# Altium PCB PCB_with_drawing.PcbDoc (part 5 of 5) (continued)
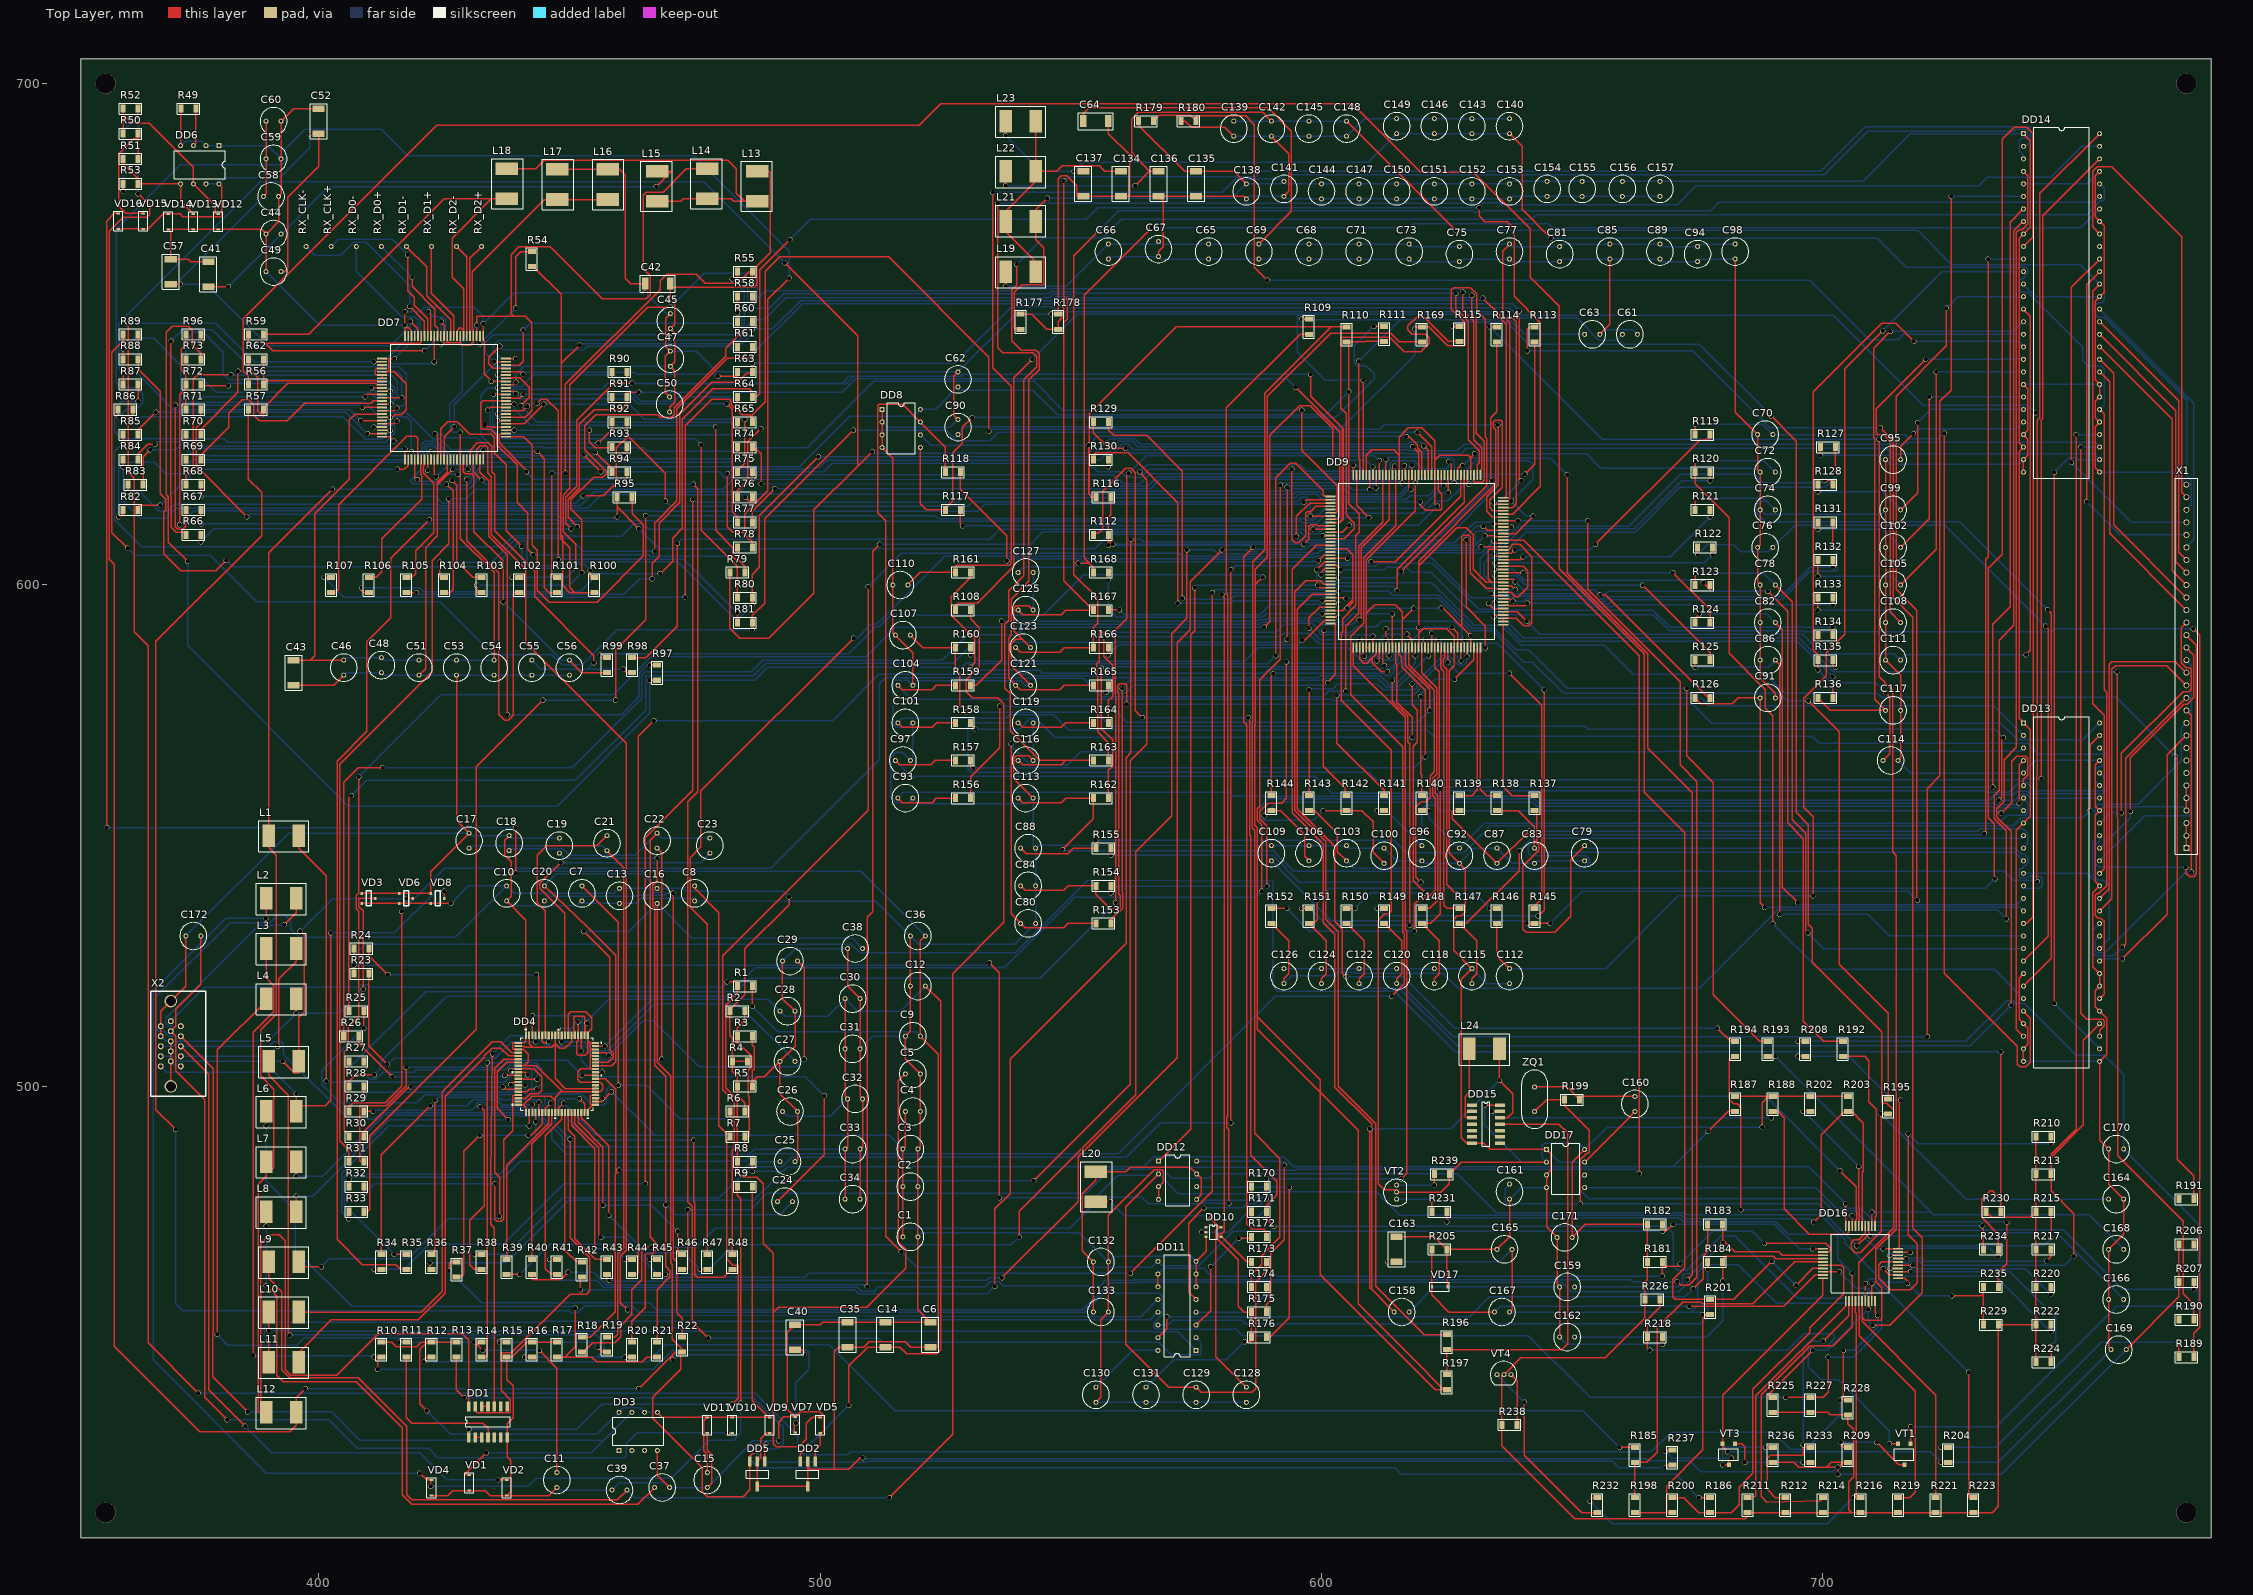
[diagram p0: Top Layer view]
## Nets (pads, with @x,y where several pads share a name; then routed paths per layer and width w, separated by ;. In a path a pad name is that pad's centre, name@x,y a point inside that pad or via, vN(x,y) a via of type N, cw(c..) or ccw(c..) an arc to the next point about the centre after c; other vN are vias at no path point) (continued)
RA0: C127.2 DD14.50 R168.1 | length 281.3
  Top Layer w0.25: v1(551.485,604.342) 553.72,604.342 ; R168.1@554.5,602.5 554.5,603.562 553.72,604.342 ; v1(566.141,671.246) 552.729,657.835 552.729,605.333 553.72,604.342
  Bottom Layer w0.25: C127.2@539.5,602.5 540.529,603.529 550.672,603.529 v1(551.485,604.342) ; v1(566.141,671.246) 617.463,671.246 618.262,672.045 645.312,672.045 646.111,671.246 751.446,671.246 DD14.50@755.2,675
RA1: C125.2 DD14.2 R167.1 | length 306.3
  Top Layer w0.25: C125.2@539.5,595 540.394,594.106 548.056,594.106 548.95,595 R167.1@554.5,595 548.64,600.86 548.64,652.372 549.265,652.997 549.265,657.002 548.64,657.627 v1(548.64,680.644)
  Bottom Layer w0.25: v1(548.64,680.644) 549.453,681.457 586.876,681.457 587.968,682.549 699.592,682.549 708.426,691.383 741.383,691.383 741.383,688.322 740.561,687.5 DD14.2@740,687.5
RA2: C123.2 DD14.51 R166.1 | length 306.5
  Top Layer w0.25: C123.2@539,587.5 539.887,586.613 547.827,586.613 548.714,587.5 R166.1@554.5,587.5 554.5,591.482 555.346,592.328 555.346,597.332 550.596,602.082 550.596,665.709 v1(555.371,670.484)
  Bottom Layer w0.25: v1(555.371,670.484) 559.537,674.649 630.302,674.649 630.573,674.379 632.06,674.379 632.331,674.649 677.596,674.649 679.272,676.326 754.026,676.326 DD14.51@755.2,677.5
RA3: C121.2 DD14.52 R165.1 | length 333.3
  Top Layer w0.25: v1(539.191,663.956) 539.191,659.816 538.251,658.876 538.251,648.716 540.139,646.828 543.052,646.828 543.673,646.207 543.673,642.962 541.604,640.893 541.604,600.71 538.099,597.205 538.099,589.933 537.591,589.425 537.591,581.409 C121.2@539,580 539.88,579.12 547.827,579.12 548.707,580 R165.1@554.5,580
  Bottom Layer w0.25: v1(539.191,663.956) 544.474,669.239 556.438,669.239 560.146,672.948 642.01,672.948 642.95,673.887 752.627,673.887 755.345,676.605 755.777,676.605 756.082,676.91 756.082,679.118 DD14.52@755.2,680
RA4: C119.2 DD14.54 R164.1 | length 377.9
  Top Layer w0.25: C119.2@539.5,572.5 540.398,571.602 548.056,571.602 548.954,572.5 R164.1@554.5,572.5 ; v1(743.534,561.383) 743.534,632.957 743.8,633.222 743.8,673.6 DD14.54@755.2,685
  Bottom Layer w0.25: C119.2@539.5,572.5 530.352,572.5 529.438,571.586 529.438,563.372 530.123,562.686 609.397,562.686 610.895,561.188 738.922,561.188 739.117,561.383 v1(743.534,561.383)
RA5: C116.2 DD14.55 R163.1 | length 369
  Top Layer w0.25: v1(535.407,676.097) 535.407,647.344 536.448,646.303 542.366,646.303 543.169,645.5 543.169,643.524 540.588,640.944 540.588,601.802 537.595,598.809 537.595,592.916 536.854,592.176 536.854,579.45 537.921,578.383 537.921,570.893 543.814,565 548.947,565 ; C116.2@539.5,565 540.391,564.109 548.056,564.109 548.947,565 ; R163.1@554.5,565 548.947,565
  Bottom Layer w0.25: v1(535.407,676.097) 630.733,676.097 630.834,676.199 635.686,676.199 636.041,675.843 670.916,675.843 674.675,679.602 731.063,679.602 732.739,681.279 745.414,681.279 751.637,687.502 755.2,687.502 DD14.55@755.2,687.5
RA6: C113.2 DD14.56 R162.1 | length 380
  Top Layer w0.25: C113.2@539.5,557.5 540.384,556.616 548.081,556.616 548.966,557.5 R162.1@554.5,557.5 554.5,553.408 v1(548.335,547.243) ; v1(742.772,540.842) 742.645,540.969 742.645,562.127 742.721,562.204 742.721,632.886 743.296,633.461 743.296,678.096 DD14.56@755.2,690
  Bottom Layer w0.25: v1(548.335,547.243) 548.564,547.014 590.372,547.014 594.462,542.925 736.168,542.925 737.976,541.117 742.497,541.117 v1(742.772,540.842)
RA7: C110.2 DD14.3 R161.1 | length 318
  Top Layer w0.25: C110.2@517.5,600 520,602.5 R161.1@527,602.5 527,603.606 527.304,603.91 537.784,603.91 538.14,604.266 538.14,639.633 534.416,643.357 v1(534.416,678.282)
  Bottom Layer w0.25: v1(534.416,678.282) 580.187,678.282 582.803,680.898 587.375,680.898 587.455,680.978 591.693,680.978 592.502,681.787 700.274,681.787 708.953,690.465 738.124,690.465 738.538,690.879 740.879,690.879 740.879,689.121 739.648,689.121 739.115,688.588 739.115,686.613 740,685.727 DD14.3@740,685
RB0: C107.2 DD13.50 R160.1 | length 266.6
  Top Layer w0.25: C107.2@518,590 520.5,587.5 R160.1@527,587.5 527,583.234 527.837,582.397 527.837,576.021 v1(529.209,574.65) ; v1(735.101,557.098) 735.66,557.657 735.66,569.214 v1(736.016,569.57)
  Bottom Layer w0.25: v1(529.209,574.65) 555.041,574.65 557.886,571.805 652.551,571.805 653.161,571.195 734.39,571.195 v1(736.016,569.57) ; v1(735.101,557.098) 738.353,557.098 739.633,558.379 740.538,558.379 741.417,557.5 DD13.50@755.2,557.5
RB1: C104.2 DD13.2 R159.1 | length 241.4
  Top Layer w0.25: C104.2@515.5,580 516.38,579.12 522.326,579.12 523.206,580 R159.1@527,580
  Bottom Layer w0.25: C104.2@515.5,580 518.322,577.178 602.168,577.178 602.477,576.869 621.952,576.869 622.551,577.469 675.691,577.469 677.277,575.882 734.118,575.882 DD13.2@740,570
RB2: C101.2 DD13.51 R158.1 | length 264.2
  Top Layer w0.25: C101.2@515.5,572.5 516.398,571.602 522.326,571.602 523.224,572.5 R158.1@527,572.5
  Bottom Layer w0.25: C101.2@515.5,572.5 516.43,573.43 537.159,573.43 537.87,574.142 546.557,574.142 549.631,571.068 621.106,571.068 622.351,569.824 697.916,569.824 699.287,568.452 740.867,568.452 743.052,566.268 755.701,566.268 756.082,565.887 756.082,564.388 755.447,563.753 754.888,563.753 754.304,563.169 754.304,560.896 DD13.51@755.2,560
RB3: C97.2 DD13.52 R157.1 | length 262.2
  Top Layer w0.25: C97.2@515,565 515.891,564.109 522.072,564.109 522.963,565 R157.1@527,565
  Bottom Layer w0.25: C97.2@515,565 518.101,561.899 598.627,561.899 602.021,558.505 624.428,558.505 624.926,559.003 732.387,559.003 732.742,558.648 737.163,558.648 739.394,560.879 740.395,560.879 742.271,559.003 755.777,559.003 756.082,559.308 756.082,561.618 DD13.52@755.2,562.5
RB4: C93.2 DD13.54 R156.1 | length 264.6
  Top Layer w0.25: C93.2@515.5,557.5 516.384,556.616 522.326,556.616 523.21,557.5 R156.1@527,557.5
  Bottom Layer w0.25: C93.2@515.5,557.5 516.622,558.622 581.711,558.622 582.434,557.899 639.182,557.899 639.186,557.903 642.96,557.903 643.765,557.098 733.156,557.098 734.202,558.144 737.878,558.144 738.617,558.883 740.894,558.883 741.383,558.394 755.904,558.394 756.59,559.079 756.59,566.11 DD13.54@755.2,567.5
RB5: C88.2 DD13.55 R155.1 | length 236.1
  Top Layer w0.25: C88.2@540,547.5 541.138,546.362 549.399,546.362 550.536,547.5 R155.1@555,547.5 v1(555,549.072) ; v1(753.313,555.015) 753.313,568.113 DD13.55@755.2,570
  Bottom Layer w0.25: v1(555,549.072) 614.426,549.072 616.89,546.608 628.371,546.608 633.705,551.942 737.972,551.942 739.596,553.567 751.865,553.567 v1(753.313,555.015)
RB6: C84.2 DD13.56 R154.1 | length 272.2
  Top Layer w0.25: C84.2@540,540 540.885,539.115 548.564,539.115 549.449,540 R154.1@555,540 555,538.312 557.88,535.432 559.505,535.432 559.835,535.762 559.835,538.054 559.587,538.302 559.587,578.266 559.343,578.51 559.343,579.882 559.75,580.288 560.832,580.288 561.111,580.009 v1(561.111,576.224)
  Bottom Layer w0.25: v1(561.111,576.224) 674.091,576.224 677.85,572.465 735.508,572.465 738.861,569.112 751.812,569.112 DD13.56@755.2,572.5
RB7: C80.2 DD13.3 R153.1 | length 257.7
  Top Layer w0.25: v1(538.099,568.325) 538.099,534.401 C80.2@540,532.5 540.903,531.597 548.564,531.597 549.467,532.5 R153.1@555,532.5
  Bottom Layer w0.25: v1(538.099,568.325) 538.099,567.919 541.909,564.109 549.377,564.109 551.993,566.725 668.198,566.725 668.325,566.852 739.352,566.852 DD13.3@740,567.5
ROM_SCL: DD16.27 R112.2 R171.1 R223.2 | length 386.7
  Top Layer w0.25: R112.2@554.5,610 554.5,610.311 555.498,610.311 556.387,611.2 556.387,618.668 560.959,623.24 562.051,623.24 562.883,622.408 562.883,574.961 v1(564.286,573.557) ; v1(585.419,573.557) 585.419,573.278 585.648,573.049 585.648,550.189 585.902,549.935 585.902,486.314 591.124,481.091 591.124,478.323 589,476.199 R171.1@589,475 589,473.584 v1(590.499,472.084) ; DD16.27@708.45,457.2 v1(708.45,458.827) v1(708.45,460.68) ; v1(729.082,443.031) 729.082,418 R223.2@730,418
  Bottom Layer w0.25: v1(564.286,573.557) v1(585.419,573.557) ; v1(590.499,472.084) 668.782,472.084 670.128,470.738 670.128,464.185 671.017,463.296 672.827,463.296 679.71,470.179 682.447,470.179 694.919,457.708 707.331,457.708 v1(708.45,458.827) ; v1(708.45,460.68) 709.367,461.597 710.516,461.597 v1(729.082,443.031)
ROM_SCL_ASIC: DD9.10 R112.1 R116.1 R172.1 | length 228.1
  Top Layer w0.25: v1(557.5,607.898) 557.5,609.016 ; R116.1@558,617.5 558,613.986 557.5,613.486 R112.1@557.5,610 557.5,609.016 ; v1(558.414,608.101) 557.5,609.016 ; v1(586.384,607.492) 584.531,605.638 584.531,572.671 585.114,572.088 585.114,472.592 586.232,471.475 588.441,471.475 589,470.916 R172.1@589,470 ; v1(596.443,608.101) 597.469,609.127 597.469,611.632 597.866,612.029 598.915,612.029 599.144,611.8 DD9.10@601.8,611.8
  Bottom Layer w0.25: v1(557.5,607.898) 585.978,607.898 v1(586.384,607.492) ; v1(558.414,608.101) v1(596.443,608.101)
ROM_SCL_EEPROM: DD8.6 R110.2 R116.2 R174.2 | length 323.2
  Top Layer w0.25: v1(553.618,627.888) 553.618,618.109 553.669,618.058 ; R116.2@555,617.5 554.228,617.499 553.669,618.058 ; R174.2@586,460 586,462.458 588.035,464.493 588.035,466.268 591.707,469.939 591.707,485.609 586.664,490.652 586.664,551.097 586.178,551.583 586.178,572.678 586.298,572.799 586.298,604.672 588.686,607.06 588.686,638.19 601.995,651.5 ; R110.2@605,651.5 601.995,651.5 ; 553.669,618.058 553.669,634.111 571.058,651.5 601.995,651.5
  Bottom Layer w0.25: DD8.6@520,629.96 522.072,627.888 v1(553.618,627.888)
ROM_SDA: DD16.28 R113.2 R225.2 | length 304.7
  Top Layer w0.25: v1(641.071,646.684) 641.071,650.967 641.604,651.5 R113.2@642.5,651.5 ; R225.2@690,438 689.198,438 689.198,438.627 v1(697.967,447.396) ; v1(709.092,455.574) 709.1,455.583 DD16.28@709.1,457.2 ; v1(709.955,452.349) 713.308,452.349 719.771,458.812 719.771,469.838 717.931,471.678 717.931,593.598 713.994,597.535 713.994,628.879 v1(711.479,631.393)
  Bottom Layer w0.25: v1(641.071,646.684) 674.065,646.684 689.356,631.393 v1(711.479,631.393) ; v1(697.967,447.396) 700.913,447.396 v1(709.092,455.574) 709.092,453.212 v1(709.955,452.349)
SCDT: DD16.17 R56.2 R201.2 | length 561.8
  Top Layer w0.25: R56.2@386,640 386,641.604 384.937,642.667 384.937,653.085 423.57,691.718 519.811,691.718 524.104,696.011 606.171,696.011 619.836,682.346 630.276,682.346 641.604,671.017 641.604,661.365 647.421,655.549 647.421,603.199 664.362,586.257 664.362,558.673 672.414,550.621 672.414,463.829 670.052,461.467 670.052,458.008 670.56,457.5 R201.2@677.5,457.5 682.188,457.5 v1(689.813,465.125) ; v1(694.639,460.35) 697.99,463.7 DD16.17@700,463.7
  Bottom Layer w0.25: v1(689.813,465.125) 694.588,460.35 v1(694.639,460.35)
VCLK00: DD9.28 R196.2 | length 171.7
  Top Layer w0.25: DD9.28@601.8,600.1 600.482,600.1 599.745,600.837 596.875,600.837 594.665,598.627 594.665,555.041 600.862,548.843 600.862,533.349 603.377,530.835 603.377,500.024 610.819,492.582 610.819,460.172 620.491,450.5 R196.2@625,450.5
VCLK01: R99.2 R169.1 R197.2 | length 552.3
  Top Layer w0.25: v1(456.082,586.003) 456.586,585.5 R99.2@457.5,585.5 ; v1(588.289,601.574) 586.816,600.1 586.816,572.244 586.802,572.23 ; R169.1@620,648.5 615.524,648.5 613.771,650.253 601.828,650.253 589.19,637.615 589.19,605.522 586.802,603.135 586.802,572.23 ; R197.2@625,439.5 R197.2@624.354,439.5 ; 586.682,552.087 586.682,552.077 587.172,551.586 587.172,513.867 587.182,513.857 ; 586.682,552.087 587.182,551.587 587.182,513.857 ; 586.682,552.087 586.682,572.047 ; 586.682,572.047 586.682,572.11 586.802,572.23 ; 586.682,572.047 586.802,572.167 586.802,572.23 ; 587.182,513.857 587.182,511.394 599.719,498.856 ; 587.182,513.857 599.719,501.32 599.719,498.856 ; 599.719,498.856 607.339,491.236 607.339,456.667 621.208,442.798 621.208,442.646 R197.2@624.354,439.5 ; 599.719,498.856 599.719,462.436 622.656,439.5 R197.2@624.354,439.5
  Bottom Layer w0.25: v1(456.082,586.003) 456.387,586.308 505.739,586.308 511.064,591.633 511.674,591.633 514.045,594.004 544.5,594.004 552.577,602.082 587.781,602.082 v1(588.289,601.574)
VGA_CON: DD16.10 R8.2 R187.1 | length 246.6
  Top Layer w0.25: v1(486.5,483.032) R8.2@486.5,485 ; v1(677.088,491.012) 681.076,495 R187.1@682.5,495 ; v1(704.545,476.58) 704.55,476.575 DD16.10@704.55,472.15
  Bottom Layer w0.25: v1(486.5,483.032) 492.608,483.032 493.547,483.972 564.54,483.972 566.547,485.978 592.477,485.978 594.484,483.972 670.047,483.972 ; v1(677.088,491.012) 670.047,483.972 ; v1(704.545,476.58) 697.154,483.972 670.047,483.972
VGA_CONN: C5.1 R1.1 R8.1 VD5.2 X2.10 | length 299.1
  Top Layer w0.25: v1(481.482,520.827) 483.5,520.827 R1.1@483.5,520 483.5,518.573 481.152,516.225 481.152,499.77 483.5,497.423 R8.1@483.5,485 483.5,483.046 484.632,481.914 487.324,481.914 488.671,480.568 488.671,468.732 490.677,466.725 490.677,454.914 ; VD5.2@500,434 498.44,434 497.256,432.816 497.256,429.577 495.833,428.155 491.236,428.155 490.677,428.714 490.677,454.914 ; C5.1@517,502.5 515.62,501.12 515.62,468.935 517.068,467.487 517.068,463.728 509.321,455.981 491.744,455.981 490.677,454.914
  Bottom Layer w0.25: X2.10@370.5,513 377.311,519.811 407.699,519.811 408.182,520.294 409.758,520.294 410.241,519.811 480.466,519.811 v1(481.482,520.827)
VGA_HS: R2.1 R3.2 R7.1 VD2.2 X2.13 | length 292.4
  Top Layer w0.25: X2.13@372.5,508 378.104,502.396 378.104,439.496 v1(385.343,432.257) ; v1(435.737,421.5) VD2.2@437.5,421.5 ; v1(485,487.943) R7.1@485,490 485.826,490 485.826,497.916 485.673,498.069 485.673,503.183 486.325,503.834 486.325,505.977 483.5,508.802 R3.2@483.5,510 483.5,511.734 485,513.234 R2.1@485,515
  Bottom Layer w0.25: X2.13@372.5,508 390.109,508 390.992,508.883 392.554,508.883 392.929,508.508 392.929,506.46 405.958,493.43 411.131,493.43 412.456,494.755 440.484,494.755 440.738,494.501 443.976,494.501 448.544,489.932 448.544,488.491 449.092,487.943 v1(485,487.943) ; v1(385.343,432.257) 390.627,426.974 420.116,426.974 425.59,421.5 v1(435.737,421.5)
VGA_SCL: L2.1 X2.15 | length 41.8
  Top Layer w0.25: v1(393.16,532.282) 395.5,534.623 L2.1@395.5,537.5
  Bottom Layer w0.25: X2.15@372.5,512 370.091,512 369.519,512.572 369.519,513.588 388.075,532.144 393.021,532.144 v1(393.16,532.282)
VGA_SDA: L3.1 X2.12 | length 41.2
  Top Layer w0.25: v1(391.871,508) 392.083,508.212 392.083,521.449 395.5,524.866 L3.1@395.5,527.5
  Bottom Layer w0.25: X2.12@372.5,506 389.871,506 v1(391.871,508)
VGA_VS: C10.1 C13.1 DD3.7 R2.2 R4.1 R4.2 R5.2 R6.1 VD1.2 VD3.2 VD6.2 VD8.2 X2.14 | length 430.4
  Top Layer w0.25: X2.14@372.5,510 378.993,503.507 378.993,451.409 378.876,451.292 378.876,442.052 v1(385.851,435.077) ; VD3.2@408.6,536.5 VD6.2@416.1,536.5 VD8.2@422.35,536.5 v1(426.366,536.5) ; VD1.2@430,422.5 429.053,422.5 v1(433.451,426.898) ; R6.1@485,495 485,496.748 483.5,498.248 R5.2@483.5,500 483.5,501.98 482.5,502.98 R4.2@482.5,505 ; R4.1@485.5,505 R4.2@482.5,505 ; v1(493.801,537.82) 493.801,536.245 485.013,527.456 485.013,518.303 482,515.29 R2.2@482,515 482,510.227 482.5,509.727 R4.2@482.5,505
  Bottom Layer w0.25: X2.14@372.5,510 370.059,510 369.062,510.997 368.071,510.997 367.513,511.556 367.513,517.83 382.331,532.648 390.373,532.648 391.937,534.213 393.192,534.213 394.437,532.968 394.437,531.368 396.088,529.717 427.217,529.717 C10.1@437.5,540 ; v1(385.851,435.077) 402.565,435.077 408.203,429.438 456.898,429.438 ; v1(426.366,536.5) 426.444,536.422 426.446,536.424 429.866,540 C10.1@437.5,540 ; v1(433.451,426.898) 454.358,426.898 456.898,429.438 ; DD3.7@462.46,435 456.898,429.438 ; v1(493.801,537.82) 492.658,538.963 473.304,538.963 472.77,539.496 468.833,539.496 467.958,538.621 467.067,538.621 466.188,539.5 C13.1@460,539.5 458.98,538.48 439.02,538.48 C10.1@437.5,540
VLCK00: C37.1 L8.2 | length 128.7
  Top Layer w0.25: L8.2@389.5,475 389.5,472.144 v1(389.509,472.135) ; v1(389.509,460.273) 391.592,458.191 391.592,442.366 392.913,441.046 407.518,441.046 416.687,431.876 416.687,418.567 418.592,416.662 463.662,416.662 C37.1@467,420
  Bottom Layer w0.25: v1(389.509,460.273) v1(389.509,472.135)
VSYNC_D: DD7.47 DD11.2 | length 323.9
  Top Layer w0.25: DD7.47@430.85,625 430.85,622.579 v1(432.526,620.903) ; v1(474.726,620.116) 475.615,619.227 475.615,558.749 473.608,556.743 473.608,476.987 474.513,476.082 474.513,452.994 v1(477.698,449.809)
  Bottom Layer w0.25: v1(432.526,620.903) 433.314,620.116 v1(474.726,620.116) ; v1(477.698,449.809) 511.708,449.809 512.572,448.945 567.563,448.945 570.052,446.456 575.894,446.456 575.894,448.986 DD11.2@575,449.88
VSYNC_IN: DD11.15 R183.1 | length 126.2
  Top Layer w0.25: DD11.15@567.38,449.88 569.163,451.663 v1(569.163,454.076) ; v1(674.141,459.664) 676.123,461.645 676.123,466.141 677,467.018 R183.1@677,472.5
  Bottom Layer w0.25: v1(569.163,454.076) 575.869,454.076 575.894,454.101 629.564,454.101 633.476,458.013 672.49,458.013 v1(674.141,459.664)
VSYNC_MCU: DD16.5 R18.1 R109.2 R203.1 | length 507.4
  Top Layer w0.25: R18.1@452.5,447 452.715,447 454.635,448.92 459.029,448.92 460.197,450.088 460.197,452.257 462.473,454.533 462.473,459.476 464.388,461.391 464.388,467.36 464.972,467.944 v1(466.369,467.944) ; v1(581.533,476.656) 581.533,491.373 581.06,491.846 581.06,493.862 581.304,494.106 581.304,598.043 581.05,598.297 581.05,635.33 595.72,650 R109.2@597.5,650 ; v1(698.17,472.948) 699.643,474.421 699.643,490.326 704.317,495 R203.1@705,495 705.714,495 708.04,492.673 708.04,483.083 707.8,482.842 DD16.5@707.8,472.15
  Bottom Layer w0.25: v1(466.369,467.944) 475.259,467.944 479.069,471.754 549.834,471.754 555.981,477.901 564.185,477.901 565.506,476.58 575.835,476.58 ; v1(581.533,476.656) 575.928,476.656 ; v1(698.17,472.948) 697.56,473.558 672.585,473.558 671.842,474.301 615.562,474.301 610.923,478.94 588.033,478.94 586.426,477.333 576.749,477.333 575.928,476.656 ; 575.835,476.58 575.928,476.656 ; 575.835,476.58 575.835,476.656 575.928,476.656
pads on no net: DD1.5 DD1.6 DD1.8 DD1.9 DD3.1 DD3.2 DD3.3 DD7.40 DD7.41 DD7.42 DD7.97 DD7.99 DD9.5 DD9.15 DD9.18 DD9.24 DD9.25 DD9.27 DD9.42 DD9.132 DD9.138 DD10.1 DD15.1 DD15.2 DD15.4 DD15.5 DD15.6 DD15.8 DD15.9 DD15.10 X1.7 X1.8 X1.9

## Silkscreen, mask and mechanical layers (free items; w line width, h text height)
Mechanical 7:
  text "BOASFORMAT|А1|1|0|766141733|331102362|1000000000|1:1|" at 0,2540 h0
  text "DimV|0|-167322835|132874016|981299213|8858267|-80708662|1||||js12|False|False|False|False" at 337.5,2492.5 h0
  text "DimH|-116141733|0|132874016|981299213|-60039370|6889763|1||||js12|False|True|False|False" at 337.5,2492.5 h0
  text "DimV|0|-167322835|132874016|981299213|8858267|-84645670|1||||js12|False|False|False|False" at 337.5,2492.5 h0
  text "DimH|-157480|0|149606299|981299213|1732284|2992126|1||||js12|False|True|False|False" at 380,2492.5 h0
  text "DimH|-1417323|0|155511811|981299213|3070866|3937007|1||||js12|False|False|False|False" at 395,2492.5 h0
  text "DimH|-112204724|0|130905513|979330713|-58070867|6889759|1|0.1|||js12|False|True|False|False" at 332.5,2487.5 h0
  text "DimV|0|-163385827|130905513|979330713|6889763|-70866146|1||||js12|False|False|False|False" at 332.5,2487.5 h0
  text "DimH|-112204724|0|130905513|979330713|-57086615|5905507|1||||js12|False|False|False|False" at 332.474,2487.17 h0
  text "DimH|-116141733|0|132874016|813976378|-89566929|-4921260|1||||js12|False|False|False|False" at 337.5,2067.5 h0
  text "SET2|Superlayer=MechanicalLayer7|Wsuperlayer=MechanicalLayer8|Layergrid=MechanicalLayer9|Werase=MechanicalLayer11|Layermark=MechanicalLayer12|Layerstamp=MechanicalLayer13|Thinline=0,1|Basicline=0,1|Gridline=0,1|Boardline=0,6|Contourpolygonline=0,3|PcbGridStep=1|PcbGridCleareanceAtView=0|PcbGridNumberEach=l10|PcbGridLineEach=l2|PcbGridCountSecondaryStrip=1|PcbGridEnabledStrip=True|PcbSignalGridEnabled=True|PcbSignalShowBukva=True|RealSignalLayerNames=False|PcbGridEnabledBothSide=True|PcbPolarGridEnabled=False|PcbPolarGridAngleStep=10|PcbPolarGridRadialStep=10|SilkShowPad=True|SilkViewName=Слой маркировки|SilkShowHole=True|SilkShowAxis=True|SilkShowBukva=False|SilkShowGrid=False|SolderShowGrid=False|SolderViewName=Слой маски|SolderShowAxis=False|SolderShowBukva=False|MainViewShowGrid=False|MainViewUseShapesDrill=False|ShowBukvaOnSboky=True|Density=2,2|TableName=Таблица 1|RazrezWidth=100|RealLayerNames=False|RazrezShowBukva=False|RazrezBukva=В-В|Sher=Rz 80|Asstoplayer=MechanicalLayer1|Asstoplayer2=None|Assbottomlayer=MechanicalLayer2|Assbottomlayer2=None|AssMinDiameterHoles=2|AssDim=True|AssMech=False|AssSilk=False|AssComponentSilk=False|AssFreeSilk=False|AssSmdPads=False|AssGridEnable=False|Mirror=Horisontal|PcbGridFontSize=2|PcbGridCenterZero=False|TTStampDistance=12|MainFontSize=5|PolyStep=2|PcbDrillDrawingGridEnabled=False|PcbDrillDrawingViewName=Слой сверловки|PcbDrillDrawingShowBukva=False|PcbDrillDrawingShowAxis=False|PcbSignalLayersUseDrill=True|PcbSignalLayersUseShapesDrill=True|PcbSignalLayersShowAxis=False" at 0,0.025 h0
  text "BOASVIADRILLTABLE:none,354331,847," at 0,0 h0
  text "2BOASDRILLTABLE:circle0101,236220,Да,498,True,|circle1000,275591,Да,15,True,|circle0010,314961,Да,30,True,|circle1110,787402,Да,2,True,|circle1011,1574803,Нет,4,True," at 0,0 h0
  text "STAMP|Utv|Утв." at 0,0 h0
  text "STAMP|Design|Разраб." at 0,0 h0
  text "STAMP|Check|Пров." at 0,0 h0
  text "STAMP|Normo|Н.контр." at 0,0 h0
  text "STAMP|Tech|Т.контр." at 0,0 h0
  text "STAMP|Var|Нач. отд." at 0,0 h0
  text "STAMP|Проверил|Станкевич" at 0,0 h0
  text "STAMP|Разработал|Соколов" at 0,0 h0
  text "STAMP|Материал1|Стеклотекстолит СФ-2-35Г-1,5" at 0,0 h0
  text "STAMP|Наименование1|Плата печатная" at 0,0 h0
  text "STAMP|Компания1|БГУИР, гр. 750701" at 0,0 h0
  text "STAMP|Обозначение|ГУИР.758717.001" at 0,0 h0
  text "TT0000#  1 *  Размер для справок." at 0,0 h0
  text "TT0001#  2 Плату изготовить комбинированным позитивным методом по ГОСТ 23752-79" at 0,0 h0
  text "TT0002#  3 Шаг координатной сетки 2 мм по ГОСТ Р 51040-97. Линии сетки нанесены через одну." at 0,0 h0
  text "TT0003#  4 Класс точности 3 по ГОСТ Р 53429-2009." at 0,0 h0
  text "TT0004#  5 Группа жесткости 3 при верхнем значении температуры окружающей среды (70±2) °С." at 0,0 h0
  text "TT0005#  6 Сведения об элементах проводящего рисунка сведены в таблице 1" at 0,0 h0
  text "TT0006#  7 Позиционные обозначения ИЭТ выполнить краской МКЭ белая ОСТ92-1586-89, шрифт 2.0-ПРЗ по СТБ 992-95 методом шелкографии" at 0,0 h0
  text "TT0007#  8 Маркировать месяц и год изготовления черной краской МКЭ ОСТ4 ГО.054.205 ОМ2 по инструкции И-75-89 шрифтом 3,5 или 5 тип А ГОСТ 2.304-81." at 0,0 h0
  text "TT0008#  9 Предельные отклонения расстояний между центрами отверстий ±0,2 мм, кроме оговоренных особо." at 0,0 h0
  text "TT0009#  10 Обработка отверстий имерсионным оловом JmmPB по ГОСТ Р 56427-2015" at 0,0 h0
  text "TT0010#  11 Покрытие проводников олово PBSmm по ГОСТ P55693-13" at 0,0 h0
  text "TT0011#  12 Печатная плата должна соответствовать ГОСТ Р 53429-2009" at 0,0 h0
  text "TT0012#" at 0,0 h0
Mechanical 8:
  drawing of 21 lines, arcs and shapes, not listed
Mechanical 9:
  region: 42.5,2510 47.5,2510.658 47,2510 47.5,2509.342
  region: 337.5,2510 332.5,2509.342 333,2510 332.5,2510.658
  region: 332.474,2502.17 327.474,2501.512 327.974,2502.17 327.474,2502.828
  region: 47.474,2502.17 52.474,2502.828 51.974,2502.17 52.474,2501.512
  region: 350,2487.5 350.658,2482.5 350,2483 349.342,2482.5
  region: 350,2072.5 349.342,2077.5 350,2077 350.658,2077.5
  region: 360,2492.5 360.658,2487.5 360,2488 359.342,2487.5
  region: 360,2067.5 359.342,2072.5 360,2072 360.658,2072.5
  region: 382.8,2502.9 377.8,2502.242 378.3,2502.9 377.8,2503.558
  region: 386.4,2502.9 391.4,2503.558 390.9,2502.9 391.4,2502.242
  lines w0.1: 42.5,2492.5 42.5,2511 ; 42.5,2510 337.5,2510 ; 47.474,2487.17 47.474,2503.17 ; 47.474,2502.17 332.474,2502.17 ; 332.474,2487.17 332.474,2503.17 ; 332.5,2072.5 351,2072.5 ; 332.5,2487.5 351,2487.5 ; 337.5,2067.5 361,2067.5 ; 337.5,2511 337.5,2492.5 361,2492.5 ; 350,2072.5 350,2487.5 ; 360,2067.5 360,2492.5 ; 374.8,2502.9 402.571,2502.9 ; 382.8,2492.9 382.8,2503.9 ; 386.4,2492.9 386.4,2503.9
  text "295±0,1" at 180.282,2512.53 h7.68
  text "3,6*" at 392.28,2505.43 h7.68
  text "285±0,1" at 185.685,2504.7 h7.68
  text "415±0,1" at 347.47,2276.315 h7.68 r90
  text "425±0,1" at 357.47,2275.861 h7.68 r90
Mechanical 13:
  lines w0.1: 8,1976 20,1976 ; 8,2011 20,2011 ; 8,2036 20,2036 ; 8,2061 20,2061 ; 8,2178 20,2178 ; 13,1951 13,2096 ; 13,2118 13,2238 ; 20,2096 8,2096 8,1951 20,1951 ; 20,2118 8,2118 8,2238 20,2238 ; 20,2521 90,2521 90,2535 ; 651,1951 651,2006 836,2006 ; 651,1956 716,1956 ; 651,1961 716,1961 ; 651,1966 716,1966 786,1966 836,1966 ; 651,1971 716,1971 ; 651,1976 716,1976 ; 651,1981 716,1981 ; 651,1986 716,1986 ; 651,1991 716,1991 836,1991 ; 651,1996 716,1996 ; 651,2001 716,2001 ; 658,1981 658,2006 ; 668,1951 668,2006 ; 691,1951 691,2006 ; 706,1951 706,2006 ; 716,1951 716,2006 836,2006 ; 765,2524 770,2515 777.6,2529 ; 777.7,2529 828,2529 ; 786,1951 786,1991 ; 786,1971 836,1971 ; 786,1986 801,1986 836,1986 ; 790.96,1971 790.96,1986 ; 795.98,1971 795.98,1986 ; 801,1971 801,1991 ; 806.57,1966 806.57,1971 ; 812.7,2522.1 815.8,2516.7 821.4,2526.5 ; 818,1971 818,1991 ; 836,2014 836,2006 ; 20,1951 836,1951 836,2535 20,2535 20,1951
  text "ГУИР.758717.001" at 72.707,2530.107 h7.68 r180
  text "Rz 80" at 777.7,2516.7 h10.75
  text "(" at 809,2516.7 h10.75
  text ")" at 820,2516.7 h10.75
  text "Перв. примен." at 11.975,2197.379 h5.38 r90
  text "Справ. №" at 11.975,2140.785 h5.38 r90
  text "Подп. и дата" at 11.975,2068.966 h5.38 r90
  text "Инв. № дубл." at 11.975,2039.459 h5.38 r90
  text "Взам. инв. №" at 11.975,2014.5 h5.38 r90
  text "1 *  Размер для справок. /   2 Плату изготовить комбинированным позитивным методом по ГОСТ 23752-79 /   3 Шаг координатной сетки 2 мм по ГОСТ Р 51040-97. Линии сетки нанесены через одну. /   4 Класс точности 3 по ГОСТ Р 53429-2009." at 656,2014 h7.68
  text "ГУИР.758717.001" at 758.293,1996.393 h7.68
  text "Лит." at 790.329,1987.025 h5.38
  text "Масса" at 805.114,1987.025 h5.38
  text "Масштаб" at 820.139,1987.025 h5.38
  text "Подп. и дата" at 11.975,1985.466 h5.38 r90
  text "Изм." at 651.686,1982.025 h5.38
  text "Лист" at 659.026,1982.025 h5.38
  text "№ докум." at 673.274,1982.025 h5.38
  text "Подп." at 694.922,1982.025 h5.38
  text "Дата" at 706.965,1982.025 h5.38
  text "Плата печатная" at 735,1977.5 h7.68
  text "Разраб." at 651.533,1976.771 h5.38
  text "Соколов" at 668.68,1976.771 h5.38
  text "0,99" at 804.825,1976.393 h7.68
  text "1:1" at 824.818,1976.393 h7.68
  text "Пров." at 651.533,1971.771 h5.38
  text "Станкевич" at 668.68,1971.771 h5.38
  text "Т.контр." at 651.533,1966.771 h5.38
  text "Лист" at 787.442,1966.771 h5.38
  text "Листов" at 808.485,1966.771 h5.38
  text "1" at 828.422,1966.771 h5.38
  text "Нач. отд." at 651.533,1961.771 h5.38
  text "Стеклотекстолит СФ-2-35Г-1,5" at 726.322,1960.025 h5.38
  text "5 Группа жесткости 3 при верхнем значении температуры окружающей среды (70±2) °С. /   6 Сведения об элементах проводящего рисунка сведены в таблице 1 /   7 Позиционные обозначения ИЭТ выполнить краской МКЭ белая ОСТ92-1586-89, шрифт 2.0-ПРЗ по СТБ 992-95 методом шелкографии   /   8 Маркировать месяц и год изготовления черной краской МКЭ ОСТ4 ГО.054.205 ОМ2 по инструкции И-75-89 шрифтом 3,5 или 5 тип А ГОСТ 2.304-81. /   9 Предельные отклонения расстояний между центрами отверстий ±0,2 мм, кроме оговоренных особо. /   10 Обработка отверстий имерсионным оловом JmmPB по ГОСТ Р 56427-2015 /   11 Покрытие проводников олово PBSmm по ГОСТ P55693-13 /   12 Печатная плата должна соответствовать ГОСТ Р 53429-2009" at 446,1958 h7.68
  text "Н.контр." at 651.533,1956.771 h5.38
  text "БГУИР, гр. 750701" at 791.306,1956.393 h7.68
  text "Инв. № подл." at 11.975,1954.459 h5.38 r90
  text "Утв." at 651.533,1951.771 h5.38
  text "Копировал" at 726.533,1946.771 h5.38
  text "Формат А1" at 807.707,1946.771 h5.38